# Altium PCB PCB_3U_RJ45.PCBDOC (part 2 of 3) (continued)
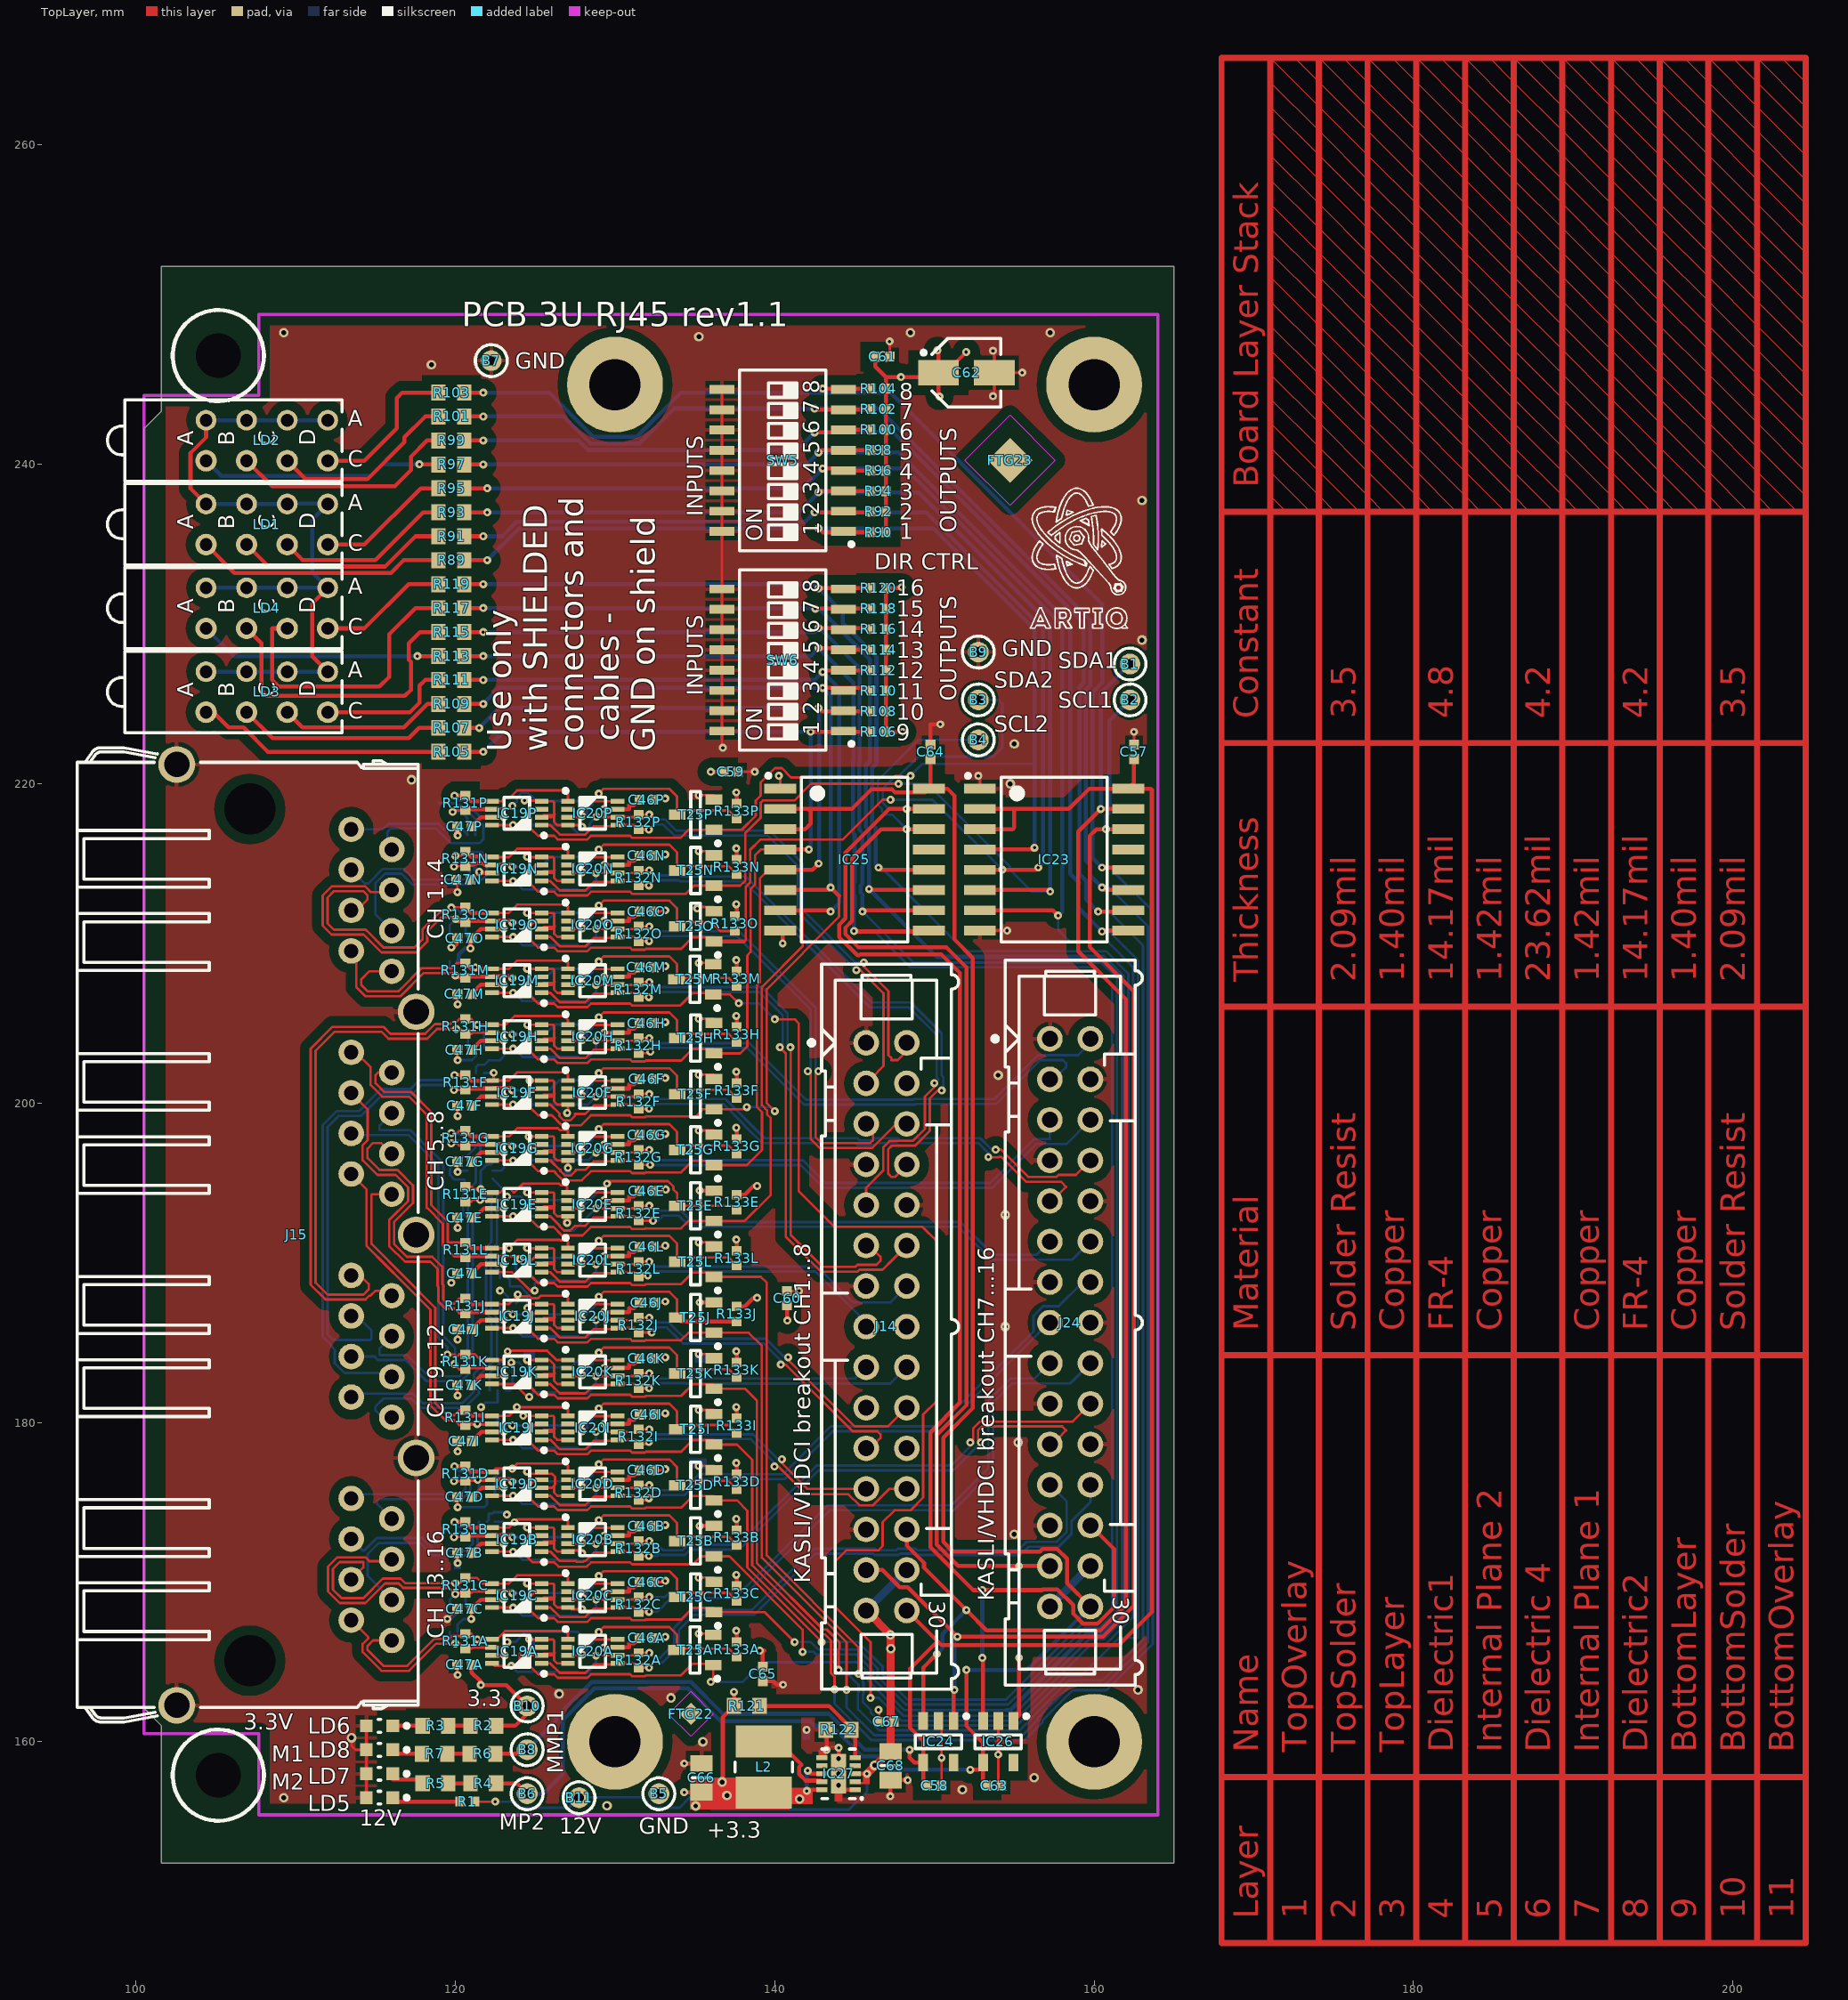
[diagram p0: TopLayer view]
## Nets (pads, with @x,y where several pads share a name; then routed paths per layer and width w, separated by ;. In a path a pad name is that pad's centre, name@x,y a point inside that pad or via, vN(x,y) a via of type N, cw(c..) or ccw(c..) an arc to the next point about the centre after c; other vN are vias at no path point) (continued)
  BottomLayer w0.152: v1@132.121,210.131 v1(132.134,210.144) 132.445,210.455 137.656,210.455 137.682,210.43 142.25,205.861 142.25,202.174 v1(142.076,202)
LVDS2_P: IC19O.8 IC20O.6 J14.5 R132O.1 | length 36.8
  TopLayer w0.152: IC19O.8@122.304,210.41 v1(123.612,210.41) ; v1(128.811,210.91) IC20O.6@130.153,210.91 131.287,210.91 131.474,211.096 R132O.1@131.474,211.071 v1(132.147,211.071) ; v1(142.729,202) 142.555,201.826 142.555,197.881 142.936,197.5 145.985,197.5 146.156,197.671 146.156,198.274 J14.5@145.73,198.7
  BottomLayer w0.152: v1(123.612,210.41) 123.65,210.449 124.209,209.89 127.673,209.89 127.745,209.818 128.277,209.818 128.811,210.351 v1(128.811,210.91) ; v1(132.147,211.071) 132.458,210.76 137.783,210.76 142.555,205.988 142.555,202.174 v1(142.729,202)
LVDS3_N: IC19N.1 IC20N.5 J14.9 R132N.2 | length 42.9
  TopLayer w0.152: IC19N.1@125.404,213.91 125.951,213.91 126.543,213.318 128.141,213.318 128.671,213.847 130.091,213.847 IC20N.5@130.153,213.91 131.22,213.91 131.474,213.656 R132N.2@131.474,213.631 v1(132.121,213.631) ; J14.9@145.73,193.62 145.73,194.705 146.795,195.771 146.795,196.849 146.795,197.226 146.945,197.376 147.204,197.635 148.66,197.635 149.409,198.384 149.409,200.413 150,201.004 v1(150,201.25)
  BottomLayer w0.152: v1(132.121,213.631) 132.134,213.644 132.445,213.955 134,213.955 134.074,213.881 138.08,213.881 145.961,206 148.4,206 150.15,204.25 150.15,201.6 150.25,201.5 v1(150,201.25)
LVDS3_P: IC19N.8 IC20N.6 J14.8 R132N.1 | length 46.4
  TopLayer w0.152: IC19N.8@122.304,213.91 v1(123.612,213.91) ; v1(128.811,214.41) IC20N.6@130.153,214.41 131.287,214.41 131.461,214.584 R132N.1@131.474,214.571 v1(132.147,214.571) ; J14.8@148.27,196.16 148.27,196.12 147.525,195.375 147.325,195.375 147.1,195.6 147.1,197.1 147.33,197.33 148.786,197.33 149.713,198.258 149.713,200.287 150.216,200.789 v1(150.461,200.789)
  BottomLayer w0.152: v1(123.612,213.91) 123.65,213.949 124.209,213.39 127.673,213.39 127.745,213.318 128.277,213.318 128.811,213.851 v1(128.811,214.41) ; v1(132.147,214.571) 132.458,214.26 134.126,214.26 134.2,214.186 138.207,214.186 146.087,206.305 148.526,206.305 150.365,204.466 150.454,204.376 150.454,201.727 150.555,201.626 150.555,200.882 v1(150.461,200.789)
LVDS4_N: IC19M.1 IC20M.5 J14.12 R132M.2 | length 39.7
  TopLayer w0.152: IC19M.1@125.404,206.91 125.951,206.91 126.543,206.318 128.141,206.318 128.671,206.847 130.091,206.847 IC20M.5@130.153,206.91 131.22,206.91 131.474,206.656 R132M.2@131.474,206.631 v1(132.121,206.631) ; v1(140.326,203.5) 140.326,203.476 140.695,203.107 140.695,191.624 142.874,189.445 145.181,189.445 145.304,189.569 146.759,189.569 147.44,190.25 J14.12@148.27,191.08
  BottomLayer w0.152: v1(132.121,206.631) 132.445,206.955 139.045,206.955 140.5,205.5 140.5,203.674 v1(140.326,203.5)
LVDS4_P: IC19M.8 IC20M.6 J14.11 R132M.1 | length 42.5
  TopLayer w0.152: IC19M.8@122.304,206.91 v1(123.612,206.91) ; v1(128.811,207.41) IC20M.6@130.153,207.41 131.287,207.41 131.474,207.596 R132M.1@131.474,207.571 v1(132.147,207.571) ; v1(140.979,203.5) 141,203.479 141,191.75 143,189.75 145.054,189.75 145.178,189.873 146.373,189.873 146.625,190.125 146.625,190.375 145.92,191.08 J14.11@145.73,191.08
  BottomLayer w0.152: v1(123.612,206.91) 123.65,206.949 124.209,206.39 127.673,206.39 127.745,206.318 128.277,206.318 128.811,206.851 v1(128.811,207.41) ; v1(132.147,207.571) 132.458,207.26 139.171,207.26 140.805,205.626 140.805,203.674 v1(140.979,203.5)
LVDS5_N: IC19L.1 IC20L.5 J14.15 R132L.2 | length 22.7
  TopLayer w0.152: IC19L.1@125.404,189.41 125.951,189.41 126.543,188.818 128.141,188.818 128.671,189.347 130.091,189.347 IC20L.5@130.153,189.41 131.22,189.41 131.474,189.156 R132L.2@131.474,189.131 132.121,189.131 v1(132.055,189.198)
  BottomLayer w0.152: v1@132.134,189.144 132.445,189.455 142.545,189.455 145.73,186.27 J14.15@145.73,186
LVDS5_P: IC19L.8 IC20L.6 J14.14 R132L.1 | length 29.4
  TopLayer w0.152: IC19L.8@122.304,189.41 123.54,189.41 124.696,188.254 124.71,188.267 v2(124.971,188.267) ; v1(128.811,189.91) IC20L.6@130.153,189.91 131.287,189.91 131.474,190.096 R132L.1@131.474,190.071 v1(132.147,190.071)
  BottomLayer w0.152: v2(124.971,188.267) 124.971,188.711 125.15,188.89 127.673,188.89 127.745,188.818 128.277,188.818 128.811,189.351 v1(128.811,189.91) ; v1(132.147,190.071) 132.458,189.76 142.671,189.76 144.92,187.511 147.241,187.511 J14.14@148.27,188.54
LVDS6_N: IC19K.1 IC20K.5 J14.18 R132K.2 | length 24
  TopLayer w0.152: IC19K.1@125.404,182.41 125.951,182.41 126.543,181.818 128.141,181.818 128.671,182.347 130.091,182.347 IC20K.5@130.153,182.41 131.22,182.41 131.474,182.156 R132K.2@131.474,182.131 v1@132.121,182.131
  BottomLayer w0.152: v1(132.134,182.144) 132.445,182.455 134.396,182.455 134.42,182.431 147.241,182.431 J14.18@148.27,183.46
LVDS6_P: IC19K.8 IC20K.6 J14.17 R132K.1 | length 25.2
  TopLayer w0.152: IC19K.8@122.304,182.41 123.715,182.41 124.525,181.6 v2(124.625,181.6) ; v1(128.811,182.91) IC20K.6@130.153,182.91 131.287,182.91 131.474,183.096 R132K.1@131.474,183.071 v1(132.147,183.071)
  BottomLayer w0.152: v2(124.625,181.6) 124.915,181.89 127.673,181.89 127.745,181.818 128.277,181.818 128.811,182.351 v1(128.811,182.91) ; v1(132.147,183.071) 132.458,182.76 145.03,182.76 J14.17@145.73,183.46
LVDS7_N: IC19J.1 IC20J.5 J14.21 R132J.2 | length 26
  TopLayer w0.152: IC19J.1@125.404,185.91 125.951,185.91 126.543,185.318 128.141,185.318 128.671,185.847 130.091,185.847 IC20J.5@130.153,185.91 131.22,185.91 131.474,185.656 R132J.2@131.474,185.631 v1(132.301,185.631) ; v1(140.377,183.627) 140.623,183.627 140.64,183.61 140.709,183.61 144.874,179.445 146.43,179.445 146.625,179.25 146.625,179.025 146.25,178.65 146.25,178.875 J14.21@146.225,178.875
  BottomLayer w0.152: v1@132.211,185.721 132.445,185.955 133.25,185.955 134.026,185.179 134.267,184.938 139.312,184.938 140.377,183.873 v1(140.377,183.627)
LVDS7_P: IC19J.8 IC20J.6 J14.20 R132J.1 | length 30.5
  TopLayer w0.152: IC19J.8@122.304,185.91 v1(123.612,185.91) ; v1(128.811,186.41) IC20J.6@130.153,186.41 131.287,186.41 131.461,186.584 R132J.1@131.474,186.571 v1(132.147,186.571) ; v1(140.838,184.088) 140.838,183.912 145,179.75 147.1,179.75 J14.20@148.27,180.92
  BottomLayer w0.152: v1(123.612,185.91) 123.65,185.949 124.209,185.39 127.673,185.39 127.745,185.318 128.277,185.318 128.811,185.851 v1(128.811,186.41) ; v1(132.147,186.571) 132.458,186.26 133.376,186.26 133.969,185.667 134.393,185.243 139.438,185.243 139.608,185.073 140.593,184.088 v1(140.838,184.088)
LVDS8_N: IC19I.1 IC20I.5 J14.24 R132I.2 | length 26
  TopLayer w0.152: IC19I.1@125.404,178.91 125.951,178.91 126.543,178.318 128.141,178.318 128.671,178.847 130.091,178.847 IC20I.5@130.153,178.91 131.22,178.91 131.474,178.656 R132I.2@131.474,178.631 v1@132.121,178.631 ; v1(132.121,178.781) v1@132.182,178.841 ; v1(139.985,177.235) 140.231,177.235 141.966,175.5 144.615,175.5 145.304,174.811 146.156,174.811 147.185,175.84 J14.24@148.27,175.84
  BottomLayer w0.152: v1@132.121,178.631 v1(132.121,178.781) ; v1@132.196,178.706 132.445,178.955 138.511,178.955 139.985,177.481 v1(139.985,177.235)
LVDS8_P: IC19I.8 IC20I.6 J14.23 R132I.1 | length 26.3
  TopLayer w0.152: IC19I.8@122.304,178.91 v1(123.612,178.91) ; v1(128.811,179.41) IC20I.6@130.153,179.41 131.287,179.41 131.474,179.596 R132I.1@131.474,179.571 v1(132.147,179.571) ; v1(140.446,177.696) 140.446,177.45 142.057,175.84 J14.23@145.73,175.84
  BottomLayer w0.152: v1(123.612,178.91) 123.65,178.949 124.209,178.39 127.673,178.39 127.745,178.318 128.277,178.318 128.811,178.851 v1(128.811,179.41) ; v1(132.147,179.571) 132.458,179.26 138.637,179.26 140.2,177.696 v1(140.446,177.696)
LVDS9_N: IC19H.1 IC20H.5 J24.3 R132H.2 | length 38.2
  TopLayer w0.152: IC19H.1@125.404,203.41 125.951,203.41 126.543,202.818 128.141,202.818 128.671,203.347 130.091,203.347 IC20H.5@130.153,203.41 131.22,203.41 131.474,203.156 R132H.2@131.474,203.131 132.121,203.131 v1(132.216,203.225)
  BottomLayer w0.152: v1(132.216,203.225) 132.445,203.455 138.295,203.455 141.805,199.945 141.843,199.907 148.822,199.907 148.861,199.945 153.865,199.945 156.616,202.697 156.678,202.697 157.782,202.697 158.053,202.697 158.25,202.5 158.25,202.25 157.49,201.49 J24.3@157.23,201.49 J24.3@156.921,201.49
LVDS9_P: IC19H.8 IC20H.6 J24.2 R132H.1 | length 41.9
  TopLayer w0.152: IC19H.8@122.304,203.41 v1(123.612,203.41) ; v1(128.811,203.91) IC20H.6@130.153,203.91 131.287,203.91 131.461,204.084 R132H.1@131.474,204.071 v1(132.147,204.071)
  BottomLayer w0.152: v1(123.612,203.41) 123.65,203.449 124.209,202.89 127.673,202.89 127.745,202.818 128.277,202.818 128.811,203.351 v1(128.811,203.91) ; v1(132.147,204.071) 132.458,203.76 138.421,203.76 141.97,200.211 148.696,200.211 148.735,200.25 153.739,200.25 156.49,203.001 159.001,203.001 159.5,203.5 159.77,203.77 J24.2@159.77,204.03
LVDS10_N: IC19G.1 IC20G.5 J24.6 R132G.2 | length 37.7
  TopLayer w0.152: IC19G.1@125.404,196.41 125.951,196.41 126.543,195.818 126.575,195.818 126.575,195.745 126.855,195.465 127.252,195.465 127.532,195.745 127.532,195.818 128.141,195.818 128.671,196.347 130.091,196.347 IC20G.5@130.153,196.41 131.22,196.41 131.474,196.156 R132G.2@131.474,196.131 v1(132.199,196.131)
  BottomLayer w0.152: v1@132.199,196.119 141.631,196.119 143.055,194.695 153.626,194.695 156.37,197.439 158.259,197.439 J24.6@159.77,198.95
LVDS10_P: IC19G.8 IC20G.6 J24.5 R132G.1 | length 38.5
  TopLayer w0.152: IC19G.8@122.304,196.41 v1(123.612,196.41) ; v1(128.811,196.91) IC20G.6@130.153,196.91 131.287,196.91 131.474,197.096 R132G.1@131.474,197.071 v1(132.147,197.071)
  BottomLayer w0.152: v1(123.612,196.41) 123.624,196.422 128.323,196.422 v1(128.811,196.91) ; v1(132.147,197.071) 132.794,196.423 141.758,196.423 143.181,195 153.5,195 156.243,197.743 157.25,197.743 157.23,197.763 J24.5@157.23,198.95
LVDS11_N: IC19F.1 IC20F.5 J24.9 R132F.2 | length 38
  TopLayer w0.152: IC19F.1@125.404,199.91 125.951,199.91 126.521,199.339 126.521,199.192 126.802,198.911 127.198,198.911 127.479,199.192 127.479,199.318 128.141,199.318 128.671,199.847 130.091,199.847 IC20F.5@130.153,199.91 131.22,199.91 131.474,199.656 R132F.2@131.474,199.631 v1@132.121,199.631 ; v1(153.377,196.627) 153.394,196.61 154.037,196.61 154.054,196.627 154.192,196.627 155.742,195.077 157.923,195.077 158.25,194.75 157.37,193.87 J24.9@157.23,193.87
  BottomLayer w0.152: v1(132.134,199.644) 132.445,199.955 136.776,199.955 138.074,198.657 138.074,198.631 139.205,197.5 145.044,197.5 145.178,197.367 146.282,197.367 146.416,197.5 147.584,197.5 147.718,197.367 148.822,197.367 148.956,197.5 152.75,197.5 153.377,196.873 v1(153.377,196.627)
LVDS11_P: IC19F.8 IC20F.6 J24.8 R132F.1 | length 40.6
  TopLayer w0.152: IC19F.8@122.304,199.91 v1(123.612,199.91) ; v1(128.811,200.41) IC20F.6@130.153,200.41 131.287,200.41 131.474,200.596 R132F.1@131.474,200.571 v1(132.147,200.571) ; v1(153.838,197.088) 154.162,197.088 155.869,195.381 157.656,195.381 157.775,195.5 158.86,195.5 J24.8@159.77,196.41
  BottomLayer w0.152: v1(123.612,199.91) 128.311,199.91 v1(128.811,200.41) ; v1(132.147,200.571) 132.458,200.26 136.902,200.26 139.357,197.805 145.171,197.805 145.304,197.671 146.156,197.671 146.29,197.805 147.711,197.805 147.844,197.671 148.696,197.671 148.83,197.805 152.876,197.805 153.593,197.088 v1(153.838,197.088)
LVDS12_N: IC19E.1 IC20E.5 J24.12 R132E.2 | length 37
  TopLayer w0.152: IC19E.1@125.404,192.91 125.951,192.91 126.521,192.339 126.521,192.301 126.802,192.021 127.198,192.021 127.478,192.301 127.478,192.318 128.141,192.318 128.671,192.847 130.091,192.847 IC20E.5@130.153,192.91 131.22,192.91 131.474,192.656 R132E.2@131.474,192.631 v1(132.381,192.631)
  BottomLayer w0.152: v1(132.381,192.631) 132.676,192.631 133,192.955 134,192.955 134.705,192.25 151.5,192.25 153.555,190.195 158.635,190.195 J24.12@159.77,191.33
LVDS12_P: IC19E.8 IC20E.6 J24.11 R132E.1 | length 37.6
  TopLayer w0.152: IC19E.8@122.304,192.91 v1(123.612,192.91) ; v1(128.811,193.41) IC20E.6@130.153,193.41 131.287,193.41 131.474,193.596 R132E.1@131.474,193.571 v1(132.147,193.571)
  BottomLayer w0.152: v1(123.612,192.91) 125.913,192.91 126.802,192.021 127.422,192.021 v1(128.811,193.41) ; v1(132.147,193.571) 132.458,193.26 134.126,193.26 134.831,192.555 151.626,192.555 153.681,190.5 156.4,190.5 J24.11@157.23,191.33
LVDS13_N: IC19D.1 IC20D.5 J24.15 R132D.2 | length 37.1
  TopLayer w0.152: IC19D.1@125.404,175.41 125.951,175.41 126.543,174.818 128.141,174.818 128.671,175.347 130.091,175.347 IC20D.5@130.153,175.41 131.22,175.41 131.474,175.156 R132D.2@131.474,175.131 132.121,175.131 v1(132.121,175.25)
  BottomLayer w0.152: v1(132.121,175.25) v1@132.232,175.362 ; v1@132.292,175.302 132.445,175.455 134.367,175.455 135.364,176.451 140.309,176.451 140.633,176.451 141.305,177.124 143.626,179.445 150.376,179.445 157.181,186.25 J24.15@157.23,186.25
LVDS13_P: IC19D.8 IC20D.6 J24.14 R132D.1 | length 44.7
  TopLayer w0.152: IC19D.8@122.304,175.41 v1(123.612,175.41) ; v1(128.811,175.91) IC20D.6@130.153,175.91 131.287,175.91 131.461,176.084 R132D.1@131.474,176.071 v1(132.147,176.071)
  BottomLayer w0.152: v1(123.612,175.41) 123.65,175.449 124.209,174.89 127.673,174.89 127.745,174.818 128.277,174.818 128.811,175.351 v1(128.811,175.91) ; v1(132.147,176.071) 132.458,175.76 134.241,175.76 135.238,176.756 140.506,176.756 143.5,179.75 150.25,179.75 156.201,185.701 156.201,186.676 156.804,187.279 157.779,187.279 159.29,188.79 J24.14@159.77,188.79
LVDS14_N: IC19C.1 IC20C.5 J24.18 R132C.2 | length 44
  TopLayer w0.152: IC19C.1@125.404,168.41 125.951,168.41 126.543,167.818 128.141,167.818 128.671,168.347 130.091,168.347 IC20C.5@130.153,168.41 131.22,168.41 131.474,168.156 R132C.2@131.474,168.131 132.121,168.131 v1(132.134,168.144)
  BottomLayer w0.152: v1(132.134,168.144) 132.644,168.144 133.497,168.997 137.928,168.997 143.431,174.5 150.929,174.5 150.96,174.468 151.15,174.468 153.336,176.655 153.686,177.005 153.686,178.426 153.686,181.255 154.876,182.445 158.505,182.445 J24.18@159.77,183.71
LVDS14_P: IC19C.8 IC20C.6 J24.17 R132C.1 | length 44.6
  TopLayer w0.152: IC19C.8@122.304,168.41 v1(123.612,168.41) ; v1(128.811,168.91) IC20C.6@130.153,168.91 131.287,168.91 131.474,169.096 R132C.1@131.474,169.071 v1(132.147,169.071)
  BottomLayer w0.152: v1(123.612,168.41) 123.65,168.449 124.209,167.89 127.673,167.89 127.745,167.818 128.277,167.818 128.811,168.351 v1(128.811,168.91) ; v1(132.147,169.071) 133.14,169.071 133.371,169.302 137.802,169.302 143.305,174.805 151.055,174.805 153,176.75 153.381,177.131 153.381,178.552 153.381,181.381 154.75,182.75 156.27,182.75 J24.17@157.23,183.71
LVDS15_N: IC19B.1 IC20B.5 J24.21 R132B.2 | length 39
  TopLayer w0.152: IC19B.1@125.404,171.91 125.951,171.91 126.543,171.318 127.559,171.318 127.605,171.271 128.002,171.271 128.048,171.318 128.141,171.318 128.671,171.847 130.091,171.847 IC20B.5@130.153,171.91 131.22,171.91 131.474,171.656 R132B.2@131.474,171.631 v1(132.121,171.631) ; v1(152.902,178.75) 152.729,178.924 152.729,179.5 152.979,179.75 158,179.75 158.25,179.5 157.73,178.98 J24.21@157.23,178.98
  BottomLayer w0.152: v1(132.121,171.631) 132.631,171.631 132.784,171.784 132.874,171.695 134.376,171.695 134.466,171.784 134.716,172.034 137.784,172.034 142.75,177 151.181,177 152.902,178.721 v1(152.902,178.75)
LVDS15_P: IC19B.8 IC20B.6 J24.20 R132B.1 | length 43.2
  TopLayer w0.152: IC19B.8@122.304,171.91 v1(123.612,171.91) ; v1(128.811,172.41) IC20B.6@130.153,172.41 131.287,172.41 131.474,172.596 R132B.1@131.474,172.571 v1(132.147,172.571) ; v1(152.25,178.75) 152.424,178.924 152.424,179.626 152.852,180.055 158.655,180.055 J24.20@159.77,181.17
  BottomLayer w0.152: v1(123.612,171.91) 123.65,171.949 124.209,171.39 127.673,171.39 127.745,171.318 128.277,171.318 128.811,171.851 v1(128.811,172.41) ; v1(132.147,172.571) 132.458,172.26 132.74,172.26 133,172 134.25,172 134.5,172.25 134.589,172.339 137.658,172.339 142.624,177.305 151.055,177.305 152.25,178.5 v1(152.25,178.75)
LVDS16_N: IC19A.1 IC20A.5 J24.24 R132A.2 | length 41.8
  TopLayer w0.152: IC19A.1@125.404,164.91 125.951,164.91 126.543,164.318 128.141,164.318 128.671,164.847 130.091,164.847 IC20A.5@130.153,164.91 131.22,164.91 131.474,164.656 R132A.2@131.474,164.631 v1@132.121,164.631
  BottomLayer w0.152: v1(132.134,164.644) 132.445,164.955 ; 132.332,164.955 132.445,164.955 ; J24.24@159.68,176 J24.24@159.77,176.09 159.77,175.005 158.589,173.824 158.589,173.024 157.782,172.217 155.898,172.217 155.376,171.695 148.79,171.695 148.696,171.789 147.844,171.789 147.751,171.695 146.25,171.695 146.156,171.789 142.539,171.789 139.138,168.388 138.695,167.945 134.945,167.945 134,167 134,166 132.955,164.955 132.445,164.955
LVDS16_P: IC19A.8 IC20A.6 J24.23 R132A.1 | length 44.9
  TopLayer w0.152: IC19A.8@122.304,164.91 122.463,164.75 v1(123.5,164.75) ; v1(128.811,165.41) IC20A.6@130.153,165.41 131.287,165.41 131.461,165.584 R132A.1@131.474,165.571 v1(132.147,165.571)
  BottomLayer w0.152: v1(123.5,164.75) 123.86,164.39 127.673,164.39 127.745,164.318 128.277,164.318 128.811,164.851 v1(128.811,165.41) ; v1(132.147,165.571) 132.458,165.26 132.829,165.26 133.695,166.126 133.695,167.126 133.784,167.216 134.819,168.25 138.569,168.25 142.319,172 142.412,172.093 146.282,172.093 146.376,172 147.624,172 147.718,172.093 148.822,172.093 148.916,172 155.25,172 155.771,172.521 157.656,172.521 158.284,173.15 158.284,175.036 J24.23@157.23,176.09 J24.23@156.934,176.09
LVDS_IOAA_N: D8.4 IC19A.5 IC20A.1 J15.8A R131A.1 | length 17.5
  TopLayer w0.152: J15.8A@116.02,166.35 114.85,166.35 114.5,166 114.5,165.75 115.5,164.75 116.985,164.75 118.686,166.451 119.628,166.451 119.802,166.625 120.484,166.625 R131A.1@120.628,166.769 121.014,166.769 v2(121.373,166.41) IC19A.5@122.304,166.41 122.592,166.41 123.112,166.93 126.927,166.93 127.053,166.803 IC20A.1@127.053,166.41
  BottomLayer w0.152: D8.4@120.645,166.901 121.136,166.41 v2(121.373,166.41)
LVDS_IOAA_P: D8.6 IC19A.6 IC20A.8 J15.7A R131A.2 | length 21.4
  TopLayer w0.152: J15.7A@113.48,167.62 114.534,166.566 114.534,166.466 114.195,166.126 114.195,165.624 115.374,164.445 117.111,164.445 118.812,166.146 v2(120,166.146) 120.31,166.146 R131A.2@120.628,165.829 121.014,165.829 121.095,165.91 IC19A.6@122.304,165.91 122.91,165.91 v1(123.25,166.25) ; v1(128.142,166.4) 130.144,166.4 IC20A.8@130.153,166.41
  BottomLayer w0.152: D8.6@119.645,166.901 119.645,166.501 v2(120,166.146) ; v1(123.25,166.25) 123.763,166.25 124.414,166.9 127.642,166.9 v1(128.142,166.4)
LVDS_IOAB_N: D7.4 IC19B.5 IC20B.1 J15.6A R131B.1 | length 22.9
  TopLayer w0.152: IC19B.5@122.304,173.41 123.359,173.41 v2(123.699,173.75) 123.879,173.93 126.927,173.93 127.053,173.803 IC20B.1@127.053,173.41
  TopLayer w0.254: v1(119.942,173.756) 119.955,173.769 R131B.1@120.628,173.769 120.987,173.41 IC19B.5@122.304,173.41
  BottomLayer w0.152: J15.6A@116.02,168.89 114.509,170.401 114.509,171.741 114.5,171.75 115.195,172.445 115.581,172.445 115.594,172.459 117.791,172.459 118.581,171.669 120.799,171.669 120.889,171.758 121.393,172.263 121.393,172.922 120.876,173.439 120.26,173.439 v1(119.942,173.756) ; D7.4@122.475,173.785 122.988,173.785 123.027,173.746 123.423,173.746 123.462,173.785 123.584,173.785 123.659,173.71 v2(123.699,173.75)
LVDS_IOAB_P: D7.6 IC19B.6 IC20B.8 J15.3A R131B.2 | length 23.7
  TopLayer w0.152: v1(119.917,172.816) 119.929,172.829 R131B.2@120.628,172.829 ; v1(128.121,173.422) 128.142,173.4 130.144,173.4 IC20B.8@130.153,173.41
  TopLayer w0.254: R131B.2@120.797,172.91 IC19B.6@122.304,172.91 122.333,172.939 123.447,172.939 v1(123.574,172.812)
  BottomLayer w0.152: J15.3A@113.48,172.7 114.214,171.966 114.284,171.966 115.082,172.763 117.918,172.763 118.707,171.974 120.673,171.974 121.088,172.389 121.088,172.796 120.75,173.134 120.234,173.134 v1(119.917,172.816) ; D7.6@121.475,173.785 121.475,173.375 121.962,172.888 123.498,172.888 v1(123.574,172.812) 127.511,172.812 v1(128.121,173.422)
LVDS_IOAC_N: D8.3 IC19C.5 IC20C.1 J15.5A R131C.1 | length 23
  TopLayer w0.152: J15.5A@113.48,170.16 114.237,170.917 114.237,171.25 112.75,171.25 112.339,170.839 112.339,169.537 112.876,169 114.244,169 115.468,170.223 116.572,170.223 116.857,169.938 v2(120,169.938) 120.297,169.938 R131C.1@120.628,170.269 121.335,170.269 121.694,169.91 IC19C.5@122.304,169.91 123.359,169.91 123.879,170.43 126.927,170.43 127.053,170.303 IC20C.1@127.053,169.91
  BottomLayer w0.152: v2(120,169.938) 120.645,169.293 D8.3@120.645,168.481
LVDS_IOAC_P: D8.1 IC19C.6 IC20C.8 J15.4A R131C.2 | length 26.4
  TopLayer w0.152: J15.4A@116.02,171.43 115.895,171.305 114.613,171.305 114.363,171.555 112.624,171.555 112.034,170.966 112.034,169.411 112.75,168.695 114.371,168.695 115.594,169.919 116.446,169.919 116.731,169.634 119.628,169.634 119.802,169.46 v2@120,169.46 ; v2(120,169.25) 120.079,169.329 R131C.2@120.628,169.329 121.014,169.329 121.095,169.41 IC19C.6@122.304,169.41 ; v1(128.121,169.922) 128.142,169.9 130.144,169.9 IC20C.8@130.153,169.91
  TopLayer w0.254: IC19C.6@122.304,169.41 122.333,169.439 123.447,169.439 v1(123.574,169.312)
  BottomLayer w0.152: D8.1@119.645,168.481 119.645,168.895 v2(120,169.25) ; v1(123.574,169.312) 127.511,169.312 v1(128.121,169.922)
LVDS_IOAD_N: D7.3 IC19D.5 IC20D.1 J15.2A R131D.1 | length 20.3
  TopLayer w0.152: IC19D.5@122.304,176.91 122.502,177.109 v2(123.556,177.109) 123.558,177.109 123.879,177.43 126.927,177.43 127.053,177.303 IC20D.1@127.053,176.91
  TopLayer w0.254: v1(119.942,177.256) 119.955,177.269 R131D.1@120.628,177.269 120.987,176.91 121.151,176.91 121.181,176.939 121.619,176.939 121.649,176.91 IC19D.5@122.304,176.91
  BottomLayer w0.152: J15.2A@116.02,173.97 115.115,174.875 115.115,175.115 115.195,175.195 120.428,175.195 120.933,175.699 120.933,176.2 120.921,176.212 120.921,176.608 120.933,176.619 120.933,176.76 120.754,176.938 120.26,176.938 v1(119.942,177.256) ; D7.3@122.475,175.365 122.475,176.581 123.002,177.109 v2(123.556,177.109)
LVDS_IOAD_P: D7.1 IC19D.6 IC20D.8 J15.1A R131D.2 | length 20.3
  TopLayer w0.152: v1(119.917,176.316) 119.929,176.329 R131D.2@120.628,176.329 ; v1(128.121,176.922) 128.142,176.9 130.144,176.9 IC20D.8@130.153,176.91
  TopLayer w0.254: R131D.2@120.797,176.41 v2(121.4,176.41) IC19D.6@122.304,176.41 122.333,176.439 123.447,176.439 v1(123.574,176.312)
  BottomLayer w0.152: J15.1A@113.48,175.24 113.74,175.5 120.302,175.5 120.628,175.826 120.628,176.074 120.617,176.085 120.617,176.251 120.234,176.634 v1(119.917,176.316) ; v2(121.4,176.41) 121.475,176.335 D7.1@121.475,175.365 ; v1(123.574,176.312) 127.511,176.312 v1(128.121,176.922)
LVDS_IOAE_N: D6.4 IC19E.5 IC20E.1 J15.8B R131E.1 | length 32.7
  TopLayer w0.152: R131E.1@120.628,194.769 121.014,194.769 121.173,194.609 v2(121.581,194.609) ; v2@121.609,194.41 IC19E.5@122.304,194.41 122.818,194.41 123.038,194.629 123.434,194.629 123.653,194.41 123.7,194.41 124.25,194.96 126.498,194.96 126.603,194.855 127,194.855 127,194.463 IC20E.1@127.053,194.41
  BottomLayer w0.152: J15.8B@116.02,180.32 115.43,180.32 115,180.75 115,181 115.5,181.5 117.235,181.5 117.7,181.034 117.828,180.907 120.557,180.907 121.477,181.827 121.477,182.933 122.608,184.065 122.608,186.169 122.566,186.212 122.566,186.647 122.225,186.988 122.225,190.831 122.608,191.215 122.608,193.169 122.566,193.212 122.566,193.608 122.608,193.65 122.608,194.273 122.43,194.451 121.73,194.451 121.581,194.6 v2(121.581,194.609) 121.581,194.89 121.583,194.893 121.583,195.76 121.965,196.142 122.223,196.142 D6.4@122.345,196.264
LVDS_IOAE_P: D6.6 IC19E.6 IC20E.8 J15.7B R131E.2 | length 33.7
  TopLayer w0.152: R131E.2@120.628,193.829 121.014,193.829 121.158,193.973 121.199,193.931 v2(121.556,193.931) ; v2@121.556,193.91 IC19E.6@122.304,193.91 122.995,193.91 v1(123.236,194.151) ; v1(128.294,194.5) 128.384,194.41 IC20E.8@130.153,194.41
  BottomLayer w0.152: J15.7B@113.48,181.59 113.695,181.805 117.361,181.805 117.954,181.212 120.431,181.212 121.049,181.83 121.172,181.953 121.172,182.902 121.172,183.059 122.261,184.149 122.261,186.521 121.999,186.784 121.92,186.862 121.92,187.926 121.92,189.893 121.92,190.807 121.92,190.957 121.999,191.036 122.261,191.299 122.261,193.734 122.304,193.776 122.304,194.146 121.795,194.146 121.779,194.131 121.714,194.131 121.556,193.973 v2(121.556,193.931) ; D6.6@122.345,195.264 123.236,194.373 v1(123.236,194.151) 124.082,194.151 124.302,193.931 127.725,193.931 v1(128.294,194.5)
LVDS_IOAF_N: D5.4 IC19F.5 IC20F.1 J15.6B R131F.1 | length 37.8
  TopLayer w0.152: v2(122.4,201.9) 122.4,201.506 IC19F.5@122.304,201.41 123.359,201.41 123.879,201.93 126.927,201.93 127.053,201.803 IC20F.1@127.053,201.41
  TopLayer w0.254: v1(119.942,201.756) 119.955,201.769 R131F.1@120.628,201.769 120.987,201.41 IC19F.5@122.304,201.41
  BottomLayer w0.152: J15.6B@116.02,182.86 115.779,183.101 113.054,183.101 112.451,183.704 112.451,184.556 112.25,184.757 112.25,184.854 112.215,184.854 111.695,185.374 111.695,198.626 112.569,199.5 113.966,199.5 115.348,200.881 117.2,200.881 117.757,201.439 119.625,201.439 v1(119.942,201.756) ; D5.4@121.8,201.885 122.385,201.885 v2(122.4,201.9)
LVDS_IOAF_P: D5.6 IC19F.6 IC20F.8 J15.3B R131F.2 | length 39.3
  TopLayer w0.152: v1(119.917,200.816) 119.929,200.829 R131F.2@120.628,200.829 ; v1(128.121,201.422) 128.142,201.4 130.144,201.4 IC20F.8@130.153,201.41
  TopLayer w0.254: R131F.2@120.797,200.91 IC19F.6@122.304,200.91 122.333,200.939 123.447,200.939 v1(123.574,200.812)
  BottomLayer w0.152: J15.3B@113.48,186.67 113.83,186.67 114.75,185.75 114.75,185.25 114.659,185.159 112.341,185.159 112,185.5 112,198.5 112.695,199.195 114.092,199.195 115.474,200.577 117.327,200.577 117.884,201.134 119.599,201.134 v1(119.917,200.816) 120.391,200.816 120.8,201.225 D5.6@120.8,201.885 ; v1(123.574,200.812) 125.89,200.812 126.5,201.422 v1(128.121,201.422)
LVDS_IOAG_N: D6.3 IC19G.5 IC20G.1 J15.5B R131G.1 | length 33.8
  TopLayer w0.152: v2(119.75,198.125) 120.098,198.125 120.242,198.269 R131G.1@120.628,198.269 ; IC19G.5@122.304,197.91 123.359,197.91 123.879,198.43 126.421,198.43 126.549,198.302 127.053,198.302 IC20G.1@127.053,197.91
  TopLayer w0.254: R131G.1@120.628,198.269 120.987,197.91 IC19G.5@122.304,197.91
  BottomLayer w0.152: J15.5B@113.48,184.13 114.939,184.13 115.158,183.911 116.874,183.911 118.2,182.584 120.376,182.584 120.867,183.075 120.867,184.275 121.088,184.495 121.088,192.92 120.793,193.216 120.793,194.533 121.278,195.019 121.278,195.508 121.276,195.511 121.276,195.517 121.278,195.519 121.278,196.008 121.144,196.142 121.089,196.142 121.089,196.264 120.965,196.264 121.555,196.853 121.555,197.504 121.004,198.055 119.82,198.055 v2(119.75,198.125)
LVDS_IOAG_P: D6.1 IC19G.6 IC20G.8 J15.4B R131G.2 | length 36
  TopLayer w0.152: v2(119.75,197.473) 120.098,197.473 120.242,197.329 R131G.2@120.628,197.329 R131G.2@120.797,197.41 ; v1(128.121,197.922) 128.142,197.9 130.144,197.9 IC20G.8@130.153,197.91
  TopLayer w0.254: R131G.2@120.797,197.41 IC19G.6@122.304,197.41 122.333,197.439 123.447,197.439 v1(123.574,197.312)
  BottomLayer w0.152: J15.4B@116.02,185.4 115.25,184.63 115.25,184.25 115.284,184.216 117,184.216 118.327,182.889 120.25,182.889 120.563,183.201 120.563,183.312 120.563,184.401 120.783,184.621 120.783,186.263 120.783,186.515 120.783,187.701 120.783,188.521 120.783,192.794 120.577,193 120.488,193.089 120.488,194.25 120.488,194.659 120.577,194.749 120.577,195.217 120.348,195.217 120.343,195.212 119.947,195.212 119.667,195.492 119.667,195.889 120.251,196.473 120.251,196.508 120.385,196.642 120.692,196.642 121.25,197.2 121.25,197.378 120.981,197.646 119.924,197.646 v2(119.75,197.473) ; v1(123.574,197.312) 127.511,197.312 v1(128.121,197.922)
LVDS_IOAH_N: D5.3 IC19H.5 IC20H.1 J15.2B R131H.1 | length 40.2
  TopLayer w0.152: J15.2B@116.02,187.94 115.75,187.94 115.44,188.25 115,188.25 114.69,187.94 114.621,187.94 114.38,187.699 113.054,187.699 113.051,187.695 111.874,187.695 110.945,188.624 110.945,203.406 112.314,204.775 115.5,204.775 115.934,204.341 118.113,204.341 118.722,204.951 119.695,204.951 119.858,205.114 120.059,205.114 120.07,205.125 120.098,205.125 120.242,205.269 R131H.1@120.628,205.269 121.014,205.269 v2(121.373,204.91) IC19H.5@122.304,204.91 123.16,204.91 123.71,205.46 126.79,205.46 127.053,205.197 IC20H.1@127.053,204.91
  BottomLayer w0.152: v2(121.373,204.91) 121.8,204.483 D5.3@121.8,203.465
LVDS_IOAH_P: D5.1 IC19H.6 IC20H.8 J15.1B R131H.2 | length 42.3
  TopLayer w0.152: J15.1B@113.48,189.21 114.04,189.21 114.575,188.675 114.575,188.325 114.253,188.003 111.997,188.003 111.25,188.75 111.25,203.28 112.44,204.47 115.374,204.47 115.807,204.037 118.239,204.037 118.849,204.646 120.044,204.646 v2(120.056,204.635) 120.322,204.635 R131H.2@120.628,204.329 121.014,204.329 121.095,204.41 IC19H.6@122.304,204.41 123.477,204.41 v1(123.574,204.312) ; v1(128.121,204.922) 128.142,204.9 130.144,204.9 IC20H.8@130.153,204.91
  BottomLayer w0.152: J15.1B@113.48,189.21 J15.1B@113.77,189.5 ; v2(120.056,204.635) 120.28,204.635 120.8,204.115 D5.1@120.8,203.465 ; v1(123.574,204.312) 125.64,204.312 126.25,204.922 v1(128.121,204.922)